# Altium PCB InsaneKeyboard.PcbDoc (part 4 of 5)
Units mil, origin at the board's own origin, x right, y up, seen from the top; angles counter-clockwise.
Board outline 7442.83 x 6333.68 mil, 2 copper layers (Top Layer, Bottom Layer), stack 61.756 mil thick; 289 components, 175 nets, 928 pads, 1163 vias.
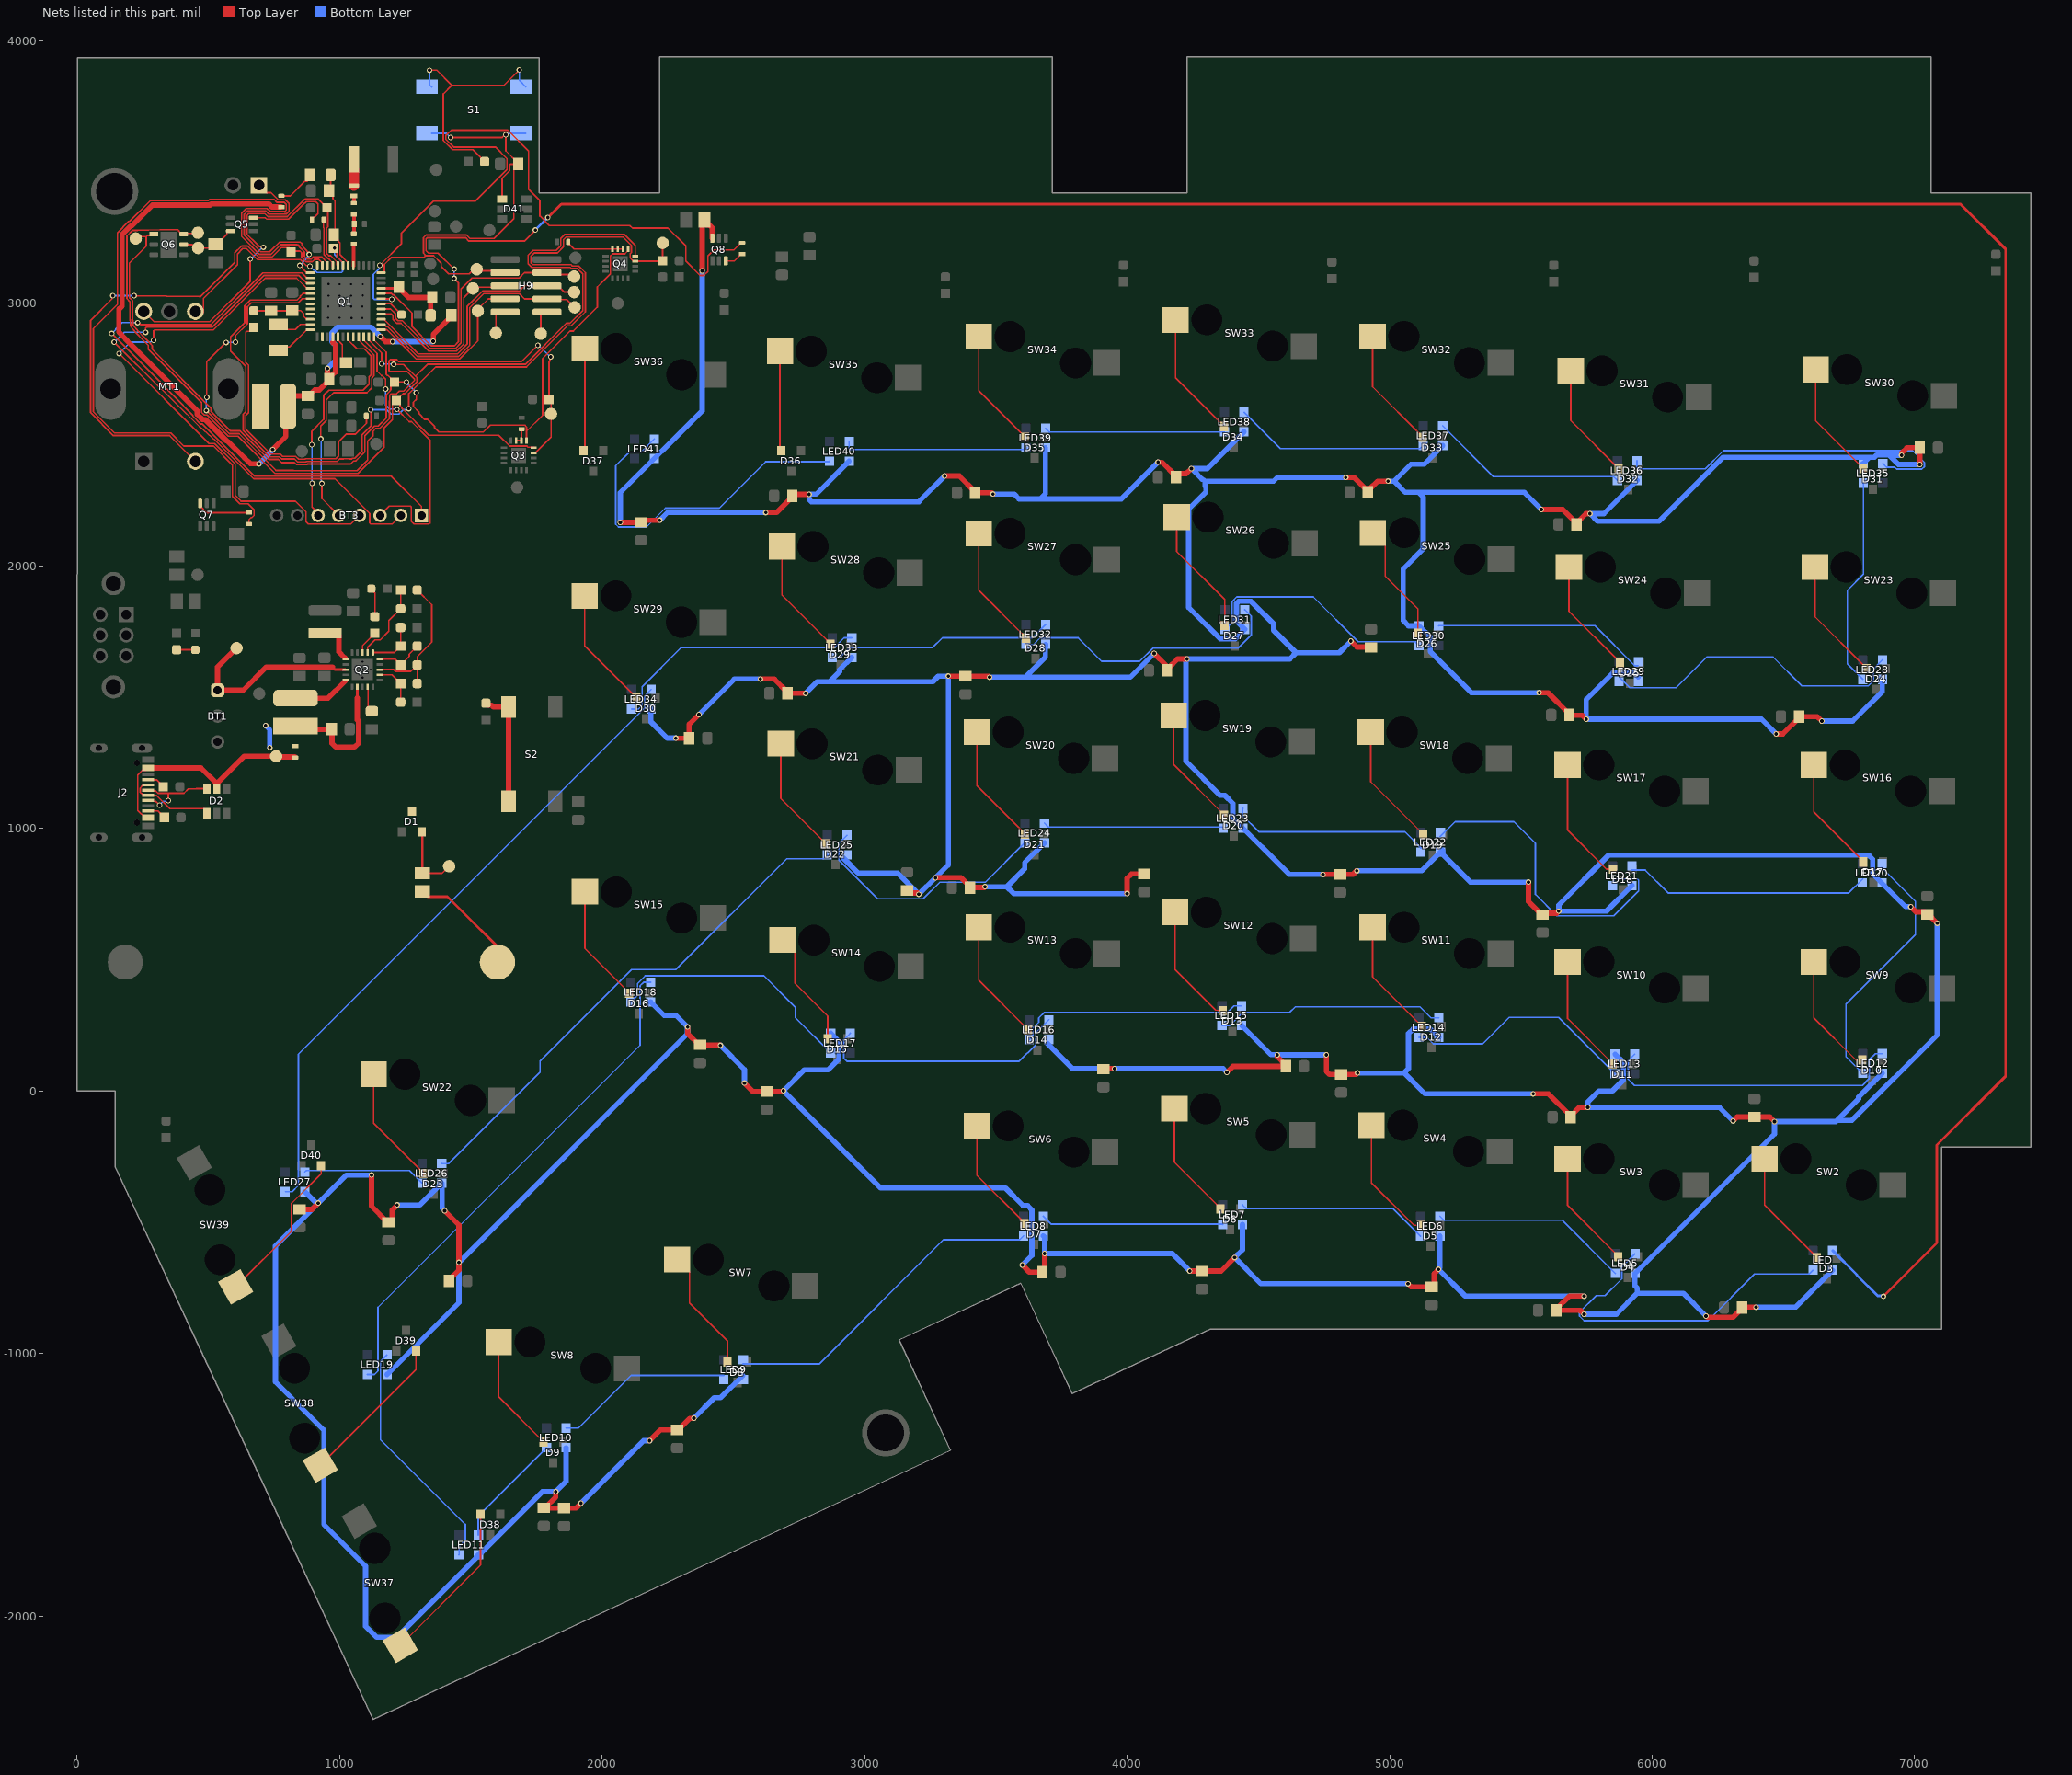
[diagram p4: the nets of this part, all layers, seen from the top]

## Via types
v1: diameter 21, hole 13, Top Layer to Bottom Layer, tented both sides, 1134 vias
v2: diameter 21, hole 13, Top Layer to Bottom Layer, 29 vias

## Nets (pads, with @x,y where several pads share a name; then routed paths per layer and width w, separated by ;. In a path a pad name is that pad's centre, name@x,y a point inside that pad or via, vN(x,y) a via of type N, cw(c..) or ccw(c..) an arc to the next point about the centre after c; other vN are vias at no path point) (continued)
LED_PWR: C30.1 C31.1 C32.1 C33.1 C34.1 C35.1 C36.1 C37.1 C38.1 C39.1 C40.1 C41.1 C42.1 C43.1 C44.1 C45.1 C46.1 C47.1 C48.1 C49.1 C50.1 C51.1 C52.1 C53.1 C54.1 C55.1 C56.1 C57.1 C58.1 C59.1 C60.1 C61.1 C62.1 C63.1 C64.1 C65.1 C66.1 C67.1 C68.1 LED5.2-VDD LED6.2-VDD LED7.2-VDD LED8.2-VDD LED9.2-VDD LED10.2-VDD LED11.2-VDD LED12.2-VDD LED13.2-VDD LED14.2-VDD LED15.2-VDD LED16.2-VDD LED17.2-VDD LED18.2-VDD LED19.2-VDD LED20.2-VDD LED21.2-VDD LED22.2-VDD LED23.2-VDD LED24.2-VDD LED25.2-VDD LED26.2-VDD LED27.2-VDD LED28.2-VDD LED29.2-VDD LED30.2-VDD LED31.2-VDD LED32.2-VDD LED33.2-VDD LED34.2-VDD LED35.2-VDD LED36.2-VDD LED37.2-VDD LED38.2-VDD LED39.2-VDD LED40.2-VDD LED41.2-VDD LED.2-VDD Q8.6 | length 42322.2
  Top Layer w20: C56.1@848,-451.55 895.45,-451.55 v1(919,-428) ; v1(1122,-321) 1122,-439.49 1183.06,-500.55 1190.94,-500.55 1200.62,-490.87 1200.62,-454.65 1220,-435.27 v1(1220,-435) ; v2(1401,-457) 1455,-511 v1(1455,-654) 1454.81,-654.19 1454.81,-682.81 1417.55,-720.06 C55.1@1417.55,-724 ; C61.1@1779,-1588.55 1782.94,-1588.55 1823.81,-1547.68 1823.81,-1527.19 v1(1824,-1527) ; C61.1@1779.5,-1589.05 1855.5,-1589.05 C68.1@1856,-1589.55 1901.45,-1589.55 v1(1920,-1571) ; v1(2070,2165) C38.1@2149,2165 2156.81,2172.81 2219.81,2172.81 v1(2220,2173) ; v1(2181.37,-1332.37) 2222.19,-1291.55 2290.94,-1291.55 2335.11,-1247.38 2349.62,-1247.38 v1(2349.81,-1247.19) ; v1(2281,1343) C41.1@2332.1,1343 2332.1,1396.1 v1(2369,1433) ; v1(2326,243) 2326.19,242.81 2326.19,217.77 2369.06,174.9 C54.1@2373,174.9 2374.71,173.19 2450.81,173.19 v1(2451,173) ; v1(2381.5,3122.79) 2381.69,3122.98 2381.69,3309.05 C30.1@2389.65,3317 ; C30.1@2389.65,3310.9 2402.48,3298.06 2408.69,3298.06 2420.41,3286.35 Q8.6@2420.41,3247.31 ; v1(2543,29) 2574.55,-2.55 2688.18,-2.55 2690.73,0 v1(2691,0) ; v1(2603.51,1568) 2656.39,1568 2706.45,1517.94 C42.1@2706.45,1514 v1(2776,1514) ; v1(2624,2202) 2624.11,2202.11 2664.5,2202.11 2724.45,2262.06 C37.1@2724.45,2266 2730.26,2271.81 2788.81,2271.81 v1(2789,2272) ; C40.1@3162,763 3171.69,753.31 3201.66,753.31 3206.48,748.5 v1(3206.75,748.5) ; v1(3270,811) 3270.27,811 3270.89,811.62 3367.76,811.62 3401.45,777.94 C39.1@3401.45,774 3455.73,774 3458.73,777 v1(3459,777) ; v1(3305.26,2341.51) 3361.19,2341.51 3421.28,2281.42 C36.1@3421.28,2277.48 3484.24,2277.48 3488.73,2273 v1(3489,2273) ; v1(3319,1579) 3471.73,1579 3475.73,1575 v1(3476,1575) ; v1(3601,-664) 3601.27,-664 3627.87,-690.6 3677.15,-690.6 C67.1@3677.55,-691 3685.81,-682.74 3685.81,-620.19 v1(3686,-620) ; C52.1@3910,82.45 3911.36,83.81 3951.81,83.81 v1(3952,84) ; v1(4000,751) 4000,809 4017,826 C50.1@4066,826 ; v1@4102.54,1666.19 C44.1@4152.45,1616.28 ; v1(4118,2394) 4118.19,2393.81 4133.12,2393.81 C35.1@4186.21,2340.72 ; C44.1@4158.12,1610.61 4192.32,1644.81 4227.81,1644.81 v1(4228,1645) ; C35.1@4186.21,2336.78 C35.1@4186.21,2340.72 ; v1(4238.82,-686.55) 4358.45,-686.55 v1(4410,-635) ; v1(4245,2370) 4244.73,2370 4225.13,2350.41 4195.9,2350.41 C35.1@4186.21,2340.72 ; v1(4380,70) 4380.27,70 4403.27,93 C58.1@4605.1,93 4605.1,96.94 4572.32,129.72 4572.32,136.85 v1(4572.13,137.04) ; v1(4746,824) 4861,824 v1(4874.83,837.83) ; v1(4759,137.04) 4759,74.16 4770.72,62.45 4872.18,62.45 4877.73,68 v1(4878,68) ; v1(4833,2336) 4833.19,2335.81 4864.58,2335.81 4906.76,2293.62 4921.83,2293.62 4923.98,2291.47 4954.32,2321.81 4993.81,2321.81 v1(4994,2322) ; v1(4852.39,1713) 4852.66,1713 4875.38,1690.28 4927.27,1690.28 C45.1@4929,1688.55 ; v1(5070,-735) 5070.27,-735 5081.82,-746.55 C64.1@5160,-746.55 5169.4,-737.15 5169.4,-696.87 5186,-680.27 v1(5186,-680) ; v1(5529.15,794.76) 5529.15,720.64 5578.57,671.23 C48.1@5582.51,671.23 5587.68,676.4 5636.13,676.4 5643.73,684 v1(5644,684) ; v1(5546.95,-11.68) 5605.06,-11.68 C62.1@5689.45,-96.06 ; v1(5570,1516) 5570.19,1515.81 5603.58,1515.81 5684.45,1434.94 C46.1@5684.45,1431 5692.73,1431 5694.13,1429.6 5734.13,1429.6 5748.73,1415 v1(5749,1415) ; v1(5578,2214) 5659.21,2214 C33.1@5711.77,2161.44 ; C62.1@5689.45,-100 C62.1@5689.45,-96.06 ; C33.1@5711.77,2157.5 C33.1@5711.77,2161.44 ; v1(5741,-851) 5740.73,-851 5725.73,-836 C63.1@5634.45,-836 5634.45,-832.06 5684.51,-782 v1(5741,-782) ; v1(5755,-63) 5754.81,-63.19 5722.32,-63.19 C62.1@5689.45,-96.06 ; v1(5763,2198) 5762.81,2197.81 5748.14,2197.81 C33.1@5711.77,2161.44 ; v1(6205,-858) 6205.27,-858 6209.89,-862.62 6308.76,-862.62 6347.19,-824.19 6395.81,-824.19 v2(6396,-824) ; v1(6308,-115) 6308.27,-115 6323.82,-99.45 6448.18,-99.45 6465.73,-117 v1(6466,-117) ; v1(6472,1359.32) 6472.19,1359.51 6497.9,1359.51 6563.39,1425 6628.73,1425 6645.73,1408 v1(6646,1408) ; v1(6950,2420.62) 6950.19,2420.81 6950.19,2429.33 6969.87,2449 C32.1@7019.55,2449 v1(7019.55,2385.45) ; v1(6985,701) 6985.27,701 7004.59,681.69 7038.31,681.69 C47.1@7048,672 7051.94,672 v1(7085.86,638.07)
  Bottom Layer w20: LED27.2-VDD@868.53,-384.22 912.12,-427.81 918.81,-427.81 v1(919,-428) ; v1(1122,-321) 1026,-321 v1(919,-428) ; LED19.2-VDD@1181.4,-1080.4 1455,-806.8 v1(1455,-654) 2325.81,216.81 2325.81,242.81 v1(2326,243) 2282.11,286.89 2236.76,286.89 LED18.2-VDD@2185.35,338.3 ; v1(1220,-435) 1305.8,-435 LED26.2-VDD@1389.4,-351.4 1391.19,-353.19 1391.19,-446.92 1401,-456.73 v2(1401,-457) ; LED10.2-VDD@1863.4,-1359.4 1863.4,-1487.6 v1(1824,-1527) 1773,-1527 1540.32,-1759.68 1537.12,-1759.68 1531,-1765.8 1531,-1769 1527.8,-1769 1521.68,-1775.12 1521.68,-1778.32 1218.09,-2081.91 1142.74,-2081.91 1099.94,-2039.12 1099.94,-1811.01 940.59,-1651.65 940.59,-1292.74 756.08,-1108.23 756.08,-590.92 v1(919,-428) ; v1(1920,-1571) 2158.44,-1332.56 2181.18,-1332.56 v1(2181.37,-1332.37) ; v1(2070,2165) 2070,2278.2 2381.5,2589.7 v1(2381.5,3122.79) ; LED34.2-VDD@2187.4,1453.6 2187.4,1447.23 2186.05,1445.88 2186.05,1405.88 2248.74,1343.19 2280.81,1343.19 v1(2281,1343) ; v1(2220,2173) 2249,2202 2623.54,2202 v1@2624,2202.46 ; v1(2349.81,-1247.19) 2428.03,-1168.97 2451.92,-1168.97 LED9.2-VDD@2537.05,-1083.84 ; v1(2369,1433) 2504,1568 v1(2603.51,1568) ; v1(2451,173) 2543,81 v1(2543,29) ; v1(2691,0) 3061.5,-370.5 3536.91,-370.5 3604.22,-437.81 3621.24,-437.81 3637.63,-454.2 3637.63,-627.37 v1(3601,-664) ; v1@2691.19,0.19 2770.5,79.5 2861.78,79.5 2902.8,120.52 2902.8,187.12 LED17.2-VDD@2871.08,218.84 ; v1(2776,1514) 2819.89,1557.89 2866.79,1557.89 ; LED25.2-VDD@2920.05,885.16 2975.71,829.5 3125.75,829.5 v1(3206.75,748.5) 3269.06,810.81 3269.81,810.81 3319,860 v1(3319,1579) ; LED40.2-VDD@2941.4,2397.6 2815.99,2272.19 2789.19,2272.19 v1(2789,2272) 2789.19,2271.81 2789.19,2251.5 2797.5,2243.19 3206.94,2243.19 v1(3305.26,2341.51) ; LED33.2-VDD@2951.82,1650.2 2905.45,1603.83 2905.45,1596.55 2866.79,1557.89 ; v1@3318.67,1578.67 3318.54,1578.81 3280.92,1578.81 3260,1557.89 2866.79,1557.89 ; v1(3459,777) 3541.9,777 ; v1(3476,1575) 3611.9,1575 ; v1(3489,2273) 3569.65,2273 3588.62,2254.04 3669,2254.04 ; LED8.2-VDD@3680.72,-552.52 3685.81,-557.61 3685.81,-619.81 v1(3686,-620) 4172.27,-620 v1(4238.82,-686.55) ; LED24.2-VDD@3685.4,944.6 3609.79,868.99 3609.79,844.9 3541.9,777 ; LED39.2-VDD@3689.4,2448.6 3689.4,2274.44 3669,2254.04 ; LED32.2-VDD@3689.62,1700.28 3689.62,1692.72 3689.46,1692.57 3689.46,1652.57 3611.9,1575 ; LED16.2-VDD@3695.05,181.16 3792.21,84 4365.73,84 4379.73,70 v1(4380,70) ; v1(4000,751) 3567.9,751 3541.9,777 ; v1(4103,1666) 4012,1575 3611.9,1575 ; v1(4118,2394) 3978.04,2254.04 3669,2254.04 ; v1(4245,2370) 4305.8,2370 LED38.2-VDD@4445.4,2509.6 ; 4253.3,2362.14 4285.69,2329.76 4297.54,2322.04 ; LED15.2-VDD@4436.4,248.6 4547.77,137.23 4571.94,137.23 v1(4572.13,137.04) v1(4759,137.04) ; LED7.2-VDD@4439.4,-509.4 4439.4,-605.58 v1(4410,-635) 4510,-735 v1(5070,-735) ; v1(4746,824) 4618,824 4402.91,1039.09 4402.91,1094.32 4372.13,1125.1 4354.22,1125.1 4223.85,1255.47 4223.85,1640.58 4228,1644.73 v1(4228,1645) 4619.95,1645 4643.48,1668.52 ; v1(4833,2336) 4572.12,2336 4558.16,2322.04 4297.54,2322.04 ; v1(4852.39,1713) 4807.91,1668.52 4643.48,1668.52 ; v1(4874.83,837.83) 5122.63,837.83 5200.51,915.7 5201.12,915.09 5201.12,900.88 5307.24,794.76 v1(5529.15,794.76) ; v1(4878,68) 5055.21,68 ; v1(4994,2322) 5016.96,2322 5080.9,2385.94 5130.74,2385.94 LED37.2-VDD@5202.4,2457.6 ; 5016.96,2321.81 5059.73,2279.04 5109.96,2279.04 ; LED14.2-VDD@5187.06,203.34 5155.34,235.06 5088.74,235.06 5071.97,218.29 5071.97,84.77 5055.21,68 ; LED6.2-VDD@5191.72,-553 5191.72,-674.01 5186,-679.73 v1(5186,-680) 5288,-782 v1(5741,-782) ; v1(5546.95,-11.68) 5134.88,-11.68 5055.21,68 ; v1(5570,1516) 5311.24,1516 5154.84,1672.39 5154.84,1727.63 LED30.2-VDD@5111.76,1770.71 5072.08,1770.71 5051.94,1790.85 5051.94,1987.84 5128.05,2063.96 5128.05,2260.95 5109.96,2279.04 ; v1(5578,2214) 5512.96,2279.04 5109.96,2279.04 ; v1(5741,-851) 5863.05,-851 5943.05,-771 ; LED13.2-VDD@5858.6,139.4 5890.31,107.68 5890.31,41.08 5848.52,-0.71 5796.79,-0.71 5755,-42.5 v1(5755,-63) 6256.01,-63.01 v1(6308,-115) ; LED21.2-VDD@5923.4,781.6 5825.8,684 v1(5644,684) 5644.19,684.19 5644.19,707.23 5834.62,897.65 6824.11,897.65 6839.4,882.37 6839.4,827.14 6965.34,701.19 6984.81,701.19 v1(6985,701) ; LED36.2-VDD@5942.4,2324.6 5815.8,2198 v1(5763,2198) 5792,2169 6026.47,2169 6270.47,2413 6846.77,2413 ; LED29.2-VDD@5947.05,1575.16 5930.05,1592.16 5850.92,1592.16 5749,1490.23 v1(5749,1415) 6416.33,1414.99 v1(6472,1359.32) ; v1(6205,-858) 6118,-771 5943.05,-771 ; v2(6396,-824) 6546.8,-824 LED.2-VDD@6687.4,-683.4 ; v1(6646,1408) 6763.67,1408 6877.05,1521.38 6877.05,1558.88 6877.4,1559.23 LED28.2-VDD@6877.4,1566.6 ; LED35.2-VDD@6803.6,2389.4 6827.2,2413 6846.77,2413 ; LED12.2-VDD@6876.4,66.6 6786.31,-23.49 6786.31,-30.59 6703.93,-112.96 ; v1(6950,2420.62) 6949.81,2420.81 6929.81,2420.81 6929.5,2421.12 6901.92,2421.12 ; v1(7019.55,2385.45) 6937.59,2385.45 6901.92,2421.12 ; v1(7085.86,638.07) 7085.86,212.4 6760.5,-112.96 6703.93,-112.96 ; 4297.54,2322.04 4297.54,2302.04 4299.83,2299.75 4299.83,2279.75 4277.74,2258.05 4234.94,2215.26 4234.94,1841.02 4354.37,1721.6 4412.4,1721.6 LED31.2-VDD@4448.4,1757.6 4416.69,1789.31 4416.69,1855.92 4424.89,1864.12 4471.92,1864.12 4557.7,1778.34 4557.7,1754.3 4643.48,1668.52 ; 5943.05,-771 5943.05,-751.77 5934.72,-743.43 LED5.2-VDD@5934.72,-695.72 6465.99,-164.45 v1(6466,-117) 6699.9,-117 6703.93,-112.96 ; 6846.77,2413 6854.89,2421.12 6901.92,2421.12
NetATT1_0: ATT1.FEED L2.2 | length 91.5
  Top Layer w14: ATT1.FEED@1054.5,3539 1054.5,3505.5 ATT1.FEED@1055,3505
  Top Layer w40: L2.2@1055,3447.69 ATT1.FEED@1055,3505
NetBT2_P: BT2.P C23.2 | length 456.3
  Top Layer w10: C23.2@1316,759.35 1335.83,739.52 1411.2,739.52 BT2.P@1660.72,490
NetC1_1: C1.1 L1.2 R1.1 | length 74.5
  Top Layer w14: L1.2@1055,3263.69 1055.66,3264.34 1055.66,3300.34 C1.1@1056.32,3301 1055.66,3301.66 1055.66,3336.5 R1.1@1056.25,3337.09
NetC2_1: C2.1 C3.1 L3.2 Q1.9 | length 283.5
  Top Layer w6: C2.1@1224.8,3056.31 C2.1@1226.55,3058.06 ; C3.1@1347.63,3016.08 C3.1@1353.55,3022 C3.1@1352.55,3021
  Top Layer w10: Q1.9@1158,3056.31 C2.1@1224.8,3056.31
  Top Layer w20: C2.1@1226.55,3058.06 1263.61,3021 C3.1@1352.55,3021 ; L3.2@1347.63,2953 C3.1@1347.63,3016.08
NetC4_1: C4.1 C5.1 L4.2 Q1.18 | length 384.5
  Top Layer w6: L4.2@966.37,3488 966.37,3432.92 960.95,3427.5 C4.1@960.45,3428 960.45,3427 975.45,3412 975.45,3397.38 982.64,3390.19 982.64,3262.19 979.45,3259 C5.1@978.45,3260 978.45,3258 995.13,3241.31 995.13,3235.69 1002.21,3228.62 1002.21,3184.54 1032.61,3154.15 Q1.18@1032.61,3142.34
NetC10_1: C10.1 C11.1 Q1.34 R5.2 | length 233.2
  Top Layer w6: R5.2@674,2970.5 739.94,2970.5 C10.1@740,2970.55 819.45,2970.55 C11.1@820,2971.1 852.62,2971.1 863.11,2960.62 863.11,2950.81 875.72,2938.2 Q1.34@887.53,2938.2
NetC12_1: C12.1 Q1.41 | length 99.8
  Top Layer w6: Q1.41@993.24,2860.05 1011.36,2841.93 1011.36,2787.09 C12.1@1025,2773.45
NetC17_1: C17.1 D1.3 L8.1 Q2.2 R13.1 | length 617.4
  Top Layer w10: Q2.2@1068.31,1539.04 1068.41,1538.95 1068.41,1496.09
  Top Layer w20: L8.1@833,1389 845.09,1376.91 C17.1@970.45,1376.91 971.15,1376.91 972,1376.06 972,1323.29 986.29,1309 1057.65,1309 1073.03,1324.38 1073.03,1407.93 1068.41,1412.55 1068.41,1496.09
  Bottom Layer w20: v1(719,1391) 719,1390.73 734.8,1374.93 v1(734.8,1307.19)
NetC18_2: C18.2 Q2.4 | length 100.3
  Top Layer w6: Q2.4@1107.68,1539.04 1109.41,1537.31 1109.41,1459.9 C18.2@1123.86,1445.45
NetC23_1: C23.1 D1.1 TP15.1 | length 271
  Top Layer w6: D1.1@1313.4,985.63 D1.1@1316,983.03 ; C23.1@1316,828.65 1391.65,828.65 TP15.1@1418,855
  Top Layer w10: C23.1@1316,828.65 D1.1@1316,983.03
NetD3_1: D3.1 SW2.1 | length 460.3
  Top Layer w6: SW2.1@6427.99,-258.96 6427.99,-435.05 6627.6,-634.66 D3.1@6627.6,-636.63
NetD4_1: D4.1 SW3.1 | length 452.5
  Top Layer w6: SW3.1@5677.98,-258.96 5677.98,-437.05 5870.6,-629.66 D4.1@5870.6,-631.63
NetD5_1: D5.1 SW4.1 | length 474.4
  Top Layer w6: SW4.1@4931.06,-131 4931.06,-350.81 5092.88,-512.63 D5.1@5118.6,-512.63
NetD6_1: D6.1 SW5.1 | length 454.3
  Top Layer w6: SW5.1@4180.06,-68 4180.06,-272.13 4355.6,-447.66 D6.1@4355.6,-449.63
NetD7_1: D7.1 SW6.1 | length 446.9
  Top Layer w6: SW6.1@3427.97,-133.96 3427.97,-322.03 3609.6,-503.66 D7.1@3609.6,-505.63
NetD8_1: D8.1 SW7.1 | length 470
  Top Layer w6: SW7.1@2286.06,-643 2287.05,-643 2333.26,-689.21 2333.26,-807.9 2478.6,-953.23 D8.1@2478.6,-1032.63
NetD9_1: D9.1 SW8.1 | length 452.2
  Top Layer w6: SW8.1@1606.94,-957.07 1606.94,-1166.01 1777.6,-1336.66 D9.1@1777.6,-1338.63
NetD10_1: D10.1 SW9.1 | length 464.8
  Top Layer w6: SW9.1@6615.49,491.04 6615.49,277.73 6775.85,117.37 D10.1@6800.6,117.37
NetD11_1: D11.1 SW10.1 | length 460.8
  Top Layer w6: SW10.1@5677.98,491.04 5677.98,274.95 5849.6,103.34 D11.1@5849.6,101.37
NetD12_1: D12.1 SW11.1 | length 456.2
  Top Layer w6: SW11.1@4935.05,622.88 4935.05,433.88 5122.6,246.34 D12.1@5122.6,244.37
NetD13_1: D13.1 SW12.1 | length 463.9
  Top Layer w6: SW12.1@4183.06,680 4183.06,461.16 4338.85,305.37 D13.1@4363.6,305.37
NetD14_1: D14.1 SW13.1 | length 467.8
  Top Layer w6: SW13.1@3435.04,622.88 3435.04,420.9 3621.6,234.34 D14.1@3621.6,232.37
NetD15_1: D15.1 SW14.1 | length 447.3
  Top Layer w6: SW14.1@2688.06,574 2689.05,574 2735.26,527.79 2735.26,409.1 2859.6,284.77 D15.1@2859.6,198.37
NetD16_1: D16.1 SW15.1 | length 455.6
  Top Layer w6: SW15.1@1935.06,758 1935.06,542.1 2103.2,373.97 D16.1@2103.2,372
NetD17_1: D17.1 SW16.1 | length 448
  Top Layer w6: SW16.1@6615.49,1241.05 6615.49,1062.45 6804.6,873.34 D17.1@6804.6,871.37
NetD18_1: D18.1 SW17.1 | length 482.7
  Top Layer w6: SW17.1@5677.98,1241.05 5677.98,992.24 5825.85,844.37 D18.1@5850.6,844.37
NetD19_1: D19.1 SW18.1 | length 473.4
  Top Layer w6: SW18.1@4927.98,1366.05 4927.98,1176.96 5127.6,977.34 D19.1@5127.6,975.37
NetD20_1: D20.1 SW19.1 | length 459.4
  Top Layer w6: SW19.1@4177.97,1428.95 4177.97,1242.54 4369.65,1050.87 D20.1@4369.65,1048.9
NetD21_1: D21.1 SW20.1 | length 463.8
  Top Layer w6: SW20.1@3427.97,1366.05 3427.97,1162.55 3610.65,979.87 D21.1@3610.65,977.9
NetD22_1: D22.1 SW21.1 | length 452.3
  Top Layer w6: SW21.1@2681.06,1322 2681.06,1112.87 2851.6,942.34 D22.1@2851.6,940.37
NetD23_1: D23.1 SW22.1 | length 457.6
  Top Layer w6: SW22.1@1130.06,63 1130.06,-123.13 1320.6,-313.66 D23.1@1320.6,-315.63
NetD24_1: D24.1 SW23.1 | length 467.6
  Top Layer w6: SW23.1@6620.06,1995 6620.06,1805.87 6815.6,1610.34 D24.1@6815.6,1608.37
NetD25_1: D25.1 SW24.1 | length 445.7
  Top Layer w6: SW24.1@5683.06,1995 5683.06,1826.45 5877.65,1631.87 D25.1@5877.65,1629.9
NetD26_1: D26.1 SW25.1 | length 454.3
  Top Layer w6: SW25.1@4936.06,2125 4937.05,2125 4983.26,2078.79 4983.26,1960.1 5107.6,1835.77 D26.1@5107.6,1742.37
NetD27_1: D27.1 SW26.1 | length 488.2
  Top Layer w6: SW26.1@4189.06,2185 4189.06,2054.2 4371.6,1871.67 D27.1@4371.6,1772.37
NetD28_1: D28.1 SW27.1 | length 472.9
  Top Layer w6: SW27.1@3435.04,2122.89 3435.04,1905.9 3614.6,1726.34 D28.1@3614.6,1724.37
NetD29_1: D29.1 SW28.1 | length 449.4
  Top Layer w6: SW28.1@2685.04,2072.89 2685.04,1887.9 2870.6,1702.34 D29.1@2870.6,1700.37
NetD30_1: D30.1 SW29.1 | length 470
  Top Layer w6: SW29.1@1934.06,1885 1934.06,1694.87 2130.6,1498.34 D30.1@2130.6,1496.37
NetD31_1: D31.1 SW30.1 | length 452.4
  Top Layer w6: SW30.1@6623.06,2747 6623.06,2551.87 6803.6,2371.34 D31.1@6803.6,2369.37
NetD32_1: D32.1 SW31.1 | length 448.3
  Top Layer w6: SW31.1@5690.06,2742 5690.06,2552.45 5871.65,2370.87 D32.1@5871.65,2368.9
NetD33_1: D33.1 SW32.1 | length 462.9
  Top Layer w6: SW32.1@4935.05,2872.89 4935.05,2681.46 5125.65,2490.87 D33.1@5125.65,2488.9
NetD34_1: D34.1 SW33.1 | length 482.1
  Top Layer w6: SW33.1@4185.06,2936 4185.06,2715.45 4368.65,2531.87 D34.1@4368.65,2529.9
NetD35_1: D35.1 SW34.1 | length 455.8
  Top Layer w6: SW34.1@3435.06,2872 3435.06,2666.45 3610.65,2490.87 D35.1@3610.65,2488.9
NetD36_1: D36.1 SW35.1 | length 379.9
  Top Layer w6: SW35.1@2677.96,2815.96 2677.96,2444.01 D36.1@2683.6,2438.37
NetD37_1: D37.1 SW36.1 | length 390.9
  Top Layer w6: D37.1@1929.6,2438.37 1935.06,2443.83 SW36.1@1935.06,2827
NetD38_1: D38.1 SW37.1 | length 625.6
  Top Layer w6: SW37.1@1232.47,-2111.86 1537.6,-1806.73 D38.1@1537.6,-1612.63
NetD39_1: D39.1 SW38.1 | length 585.6
  Top Layer w6: SW38.1@927,-1426 1291.4,-1061.6 D39.1@1291.4,-991.37
NetD40_1: D40.1 SW39.1 | length 596.4
  Top Layer w6: SW39.1@605,-747 817.38,-534.62 817.38,-428.97 930.4,-315.94 D40.1@930.4,-285.37
NetJ2_A5: J2.A5 R9.1 | length 69.4
  Top Layer w6: J2.A5@271,1184.37 303.28,1184.37 R9.1@329.5,1158.16
NetJ2_B5: J2.B5 R10.1 | length 72.9
  Top Layer w6: J2.B5@271,1066.26 308.39,1066.26 R10.1@333.5,1041.16
NetL1_1: L1.1 Q1.17 | length 82.7
  Top Layer w14: Q1.17@1053.29,3142.34 1053.29,3222.61 L1.1@1055,3224.31
NetL2_1: L2.1 R1.2 | length 28.1
  Top Layer w14: R1.2@1055,3381.15 L2.1@1055,3406.06 ; L2.1@1055,3408.31 1055,3406.56 L2.1@1055.5,3406.06 ; R1.2@1055.5,3381.15 R1.2@1056,3380.65
NetL5_1: L5.1 Q1.38
NetL6_2: L6.2 R5.1 | length 1038.9
  Top Layer w6: R5.1@674,2907.5 659.28,2892.79 647.72,2892.79 643.46,2888.54 643.46,2773.56 653.46,2763.56 653.46,2582.44 643.36,2572.34 643.36,2520.07 738.84,2424.59 775.82,2424.59 784.03,2416.38 833.32,2416.38 844.32,2405.38 869.15,2405.38 870.77,2407 987.03,2407 997.62,2417.6 997.62,2471.65 1027.35,2501.38 1062.27,2501.38 1103.12,2542.23 1103.12,2568.8 1102.32,2569.6 L6.2@1102.32,2570
NetL7_1: L7.1 Q2.16 | length 150.7
  Top Layer w20: L7.1@945,1742.39 988.31,1742.39 997.99,1732.7 997.99,1671.88 1021.23,1648.65
NetL8_2: L8.2 Q2.20 | length 214.8
  Top Layer w20: L8.2@833,1495.3 957.17,1495.3 1021.23,1559.35
NetLED1_A: LED1.A R8.2 | length 71.2
  Top Layer w6: R8.2@380,1680 380.25,1679.75 450.75,1679.75 LED1.A@451,1679.5
NetLED4_A: LED4.A R18.2 | length 112.1
  Top Layer w6: LED4.A@1121.5,1912 1121.5,1909.36 1135,1895.87 R18.2@1135,1805.5
NetLED5_1-DO: LED5.1-DO LED6.3-DI | length 758.3
  Bottom Layer w6: LED6.3-DI@5191.72,-478.2 5206.43,-492.91 5657.11,-492.91 LED5.1-DO@5859.91,-695.72
NetLED5_3-DI: LED5.3-DI LED.1-DO | length 1320.4
  Bottom Layer w6: LED5.3-DI@5934.72,-620.91 5884.63,-671 5884.63,-716.33 5820.92,-780.04 5787.21,-780.04 5723.5,-843.75 5723.5,-858.25 5740.75,-875.5 6212.25,-875.5 6389.63,-698.12 6597.88,-698.12 LED.1-DO@6612.6,-683.4
NetLED6_1-DO: LED6.1-DO LED7.3-DI | length 726.6
  Bottom Layer w6: LED7.3-DI@4439.4,-434.6 4454.12,-449.32 5013.23,-449.32 LED6.1-DO@5116.91,-553
NetLED7_1-DO: LED7.1-DO LED8.3-DI | length 697
  Bottom Layer w6: LED8.3-DI@3680.72,-477.71 3710.54,-507.54 4362.73,-507.54 LED7.1-DO@4364.6,-509.4
NetLED8_1-DO: LED8.1-DO LED9.3-DI | length 1271
  Bottom Layer w6: LED9.3-DI@2537.05,-1040.54 2827.47,-1040.54 3300.78,-567.23 3591.2,-567.23 LED8.1-DO@3605.91,-552.52